# Altium PCB bg_pcb.PcbDoc (part 2 of 2)
Units mil, origin at the board's own origin, x right, y up, seen from the top; angles counter-clockwise.
Board outline 3622.05 x 3405.51 mil, 2 copper layers (Top Layer, Bottom Layer); 165 components, 111 nets, 496 pads, 392 vias.
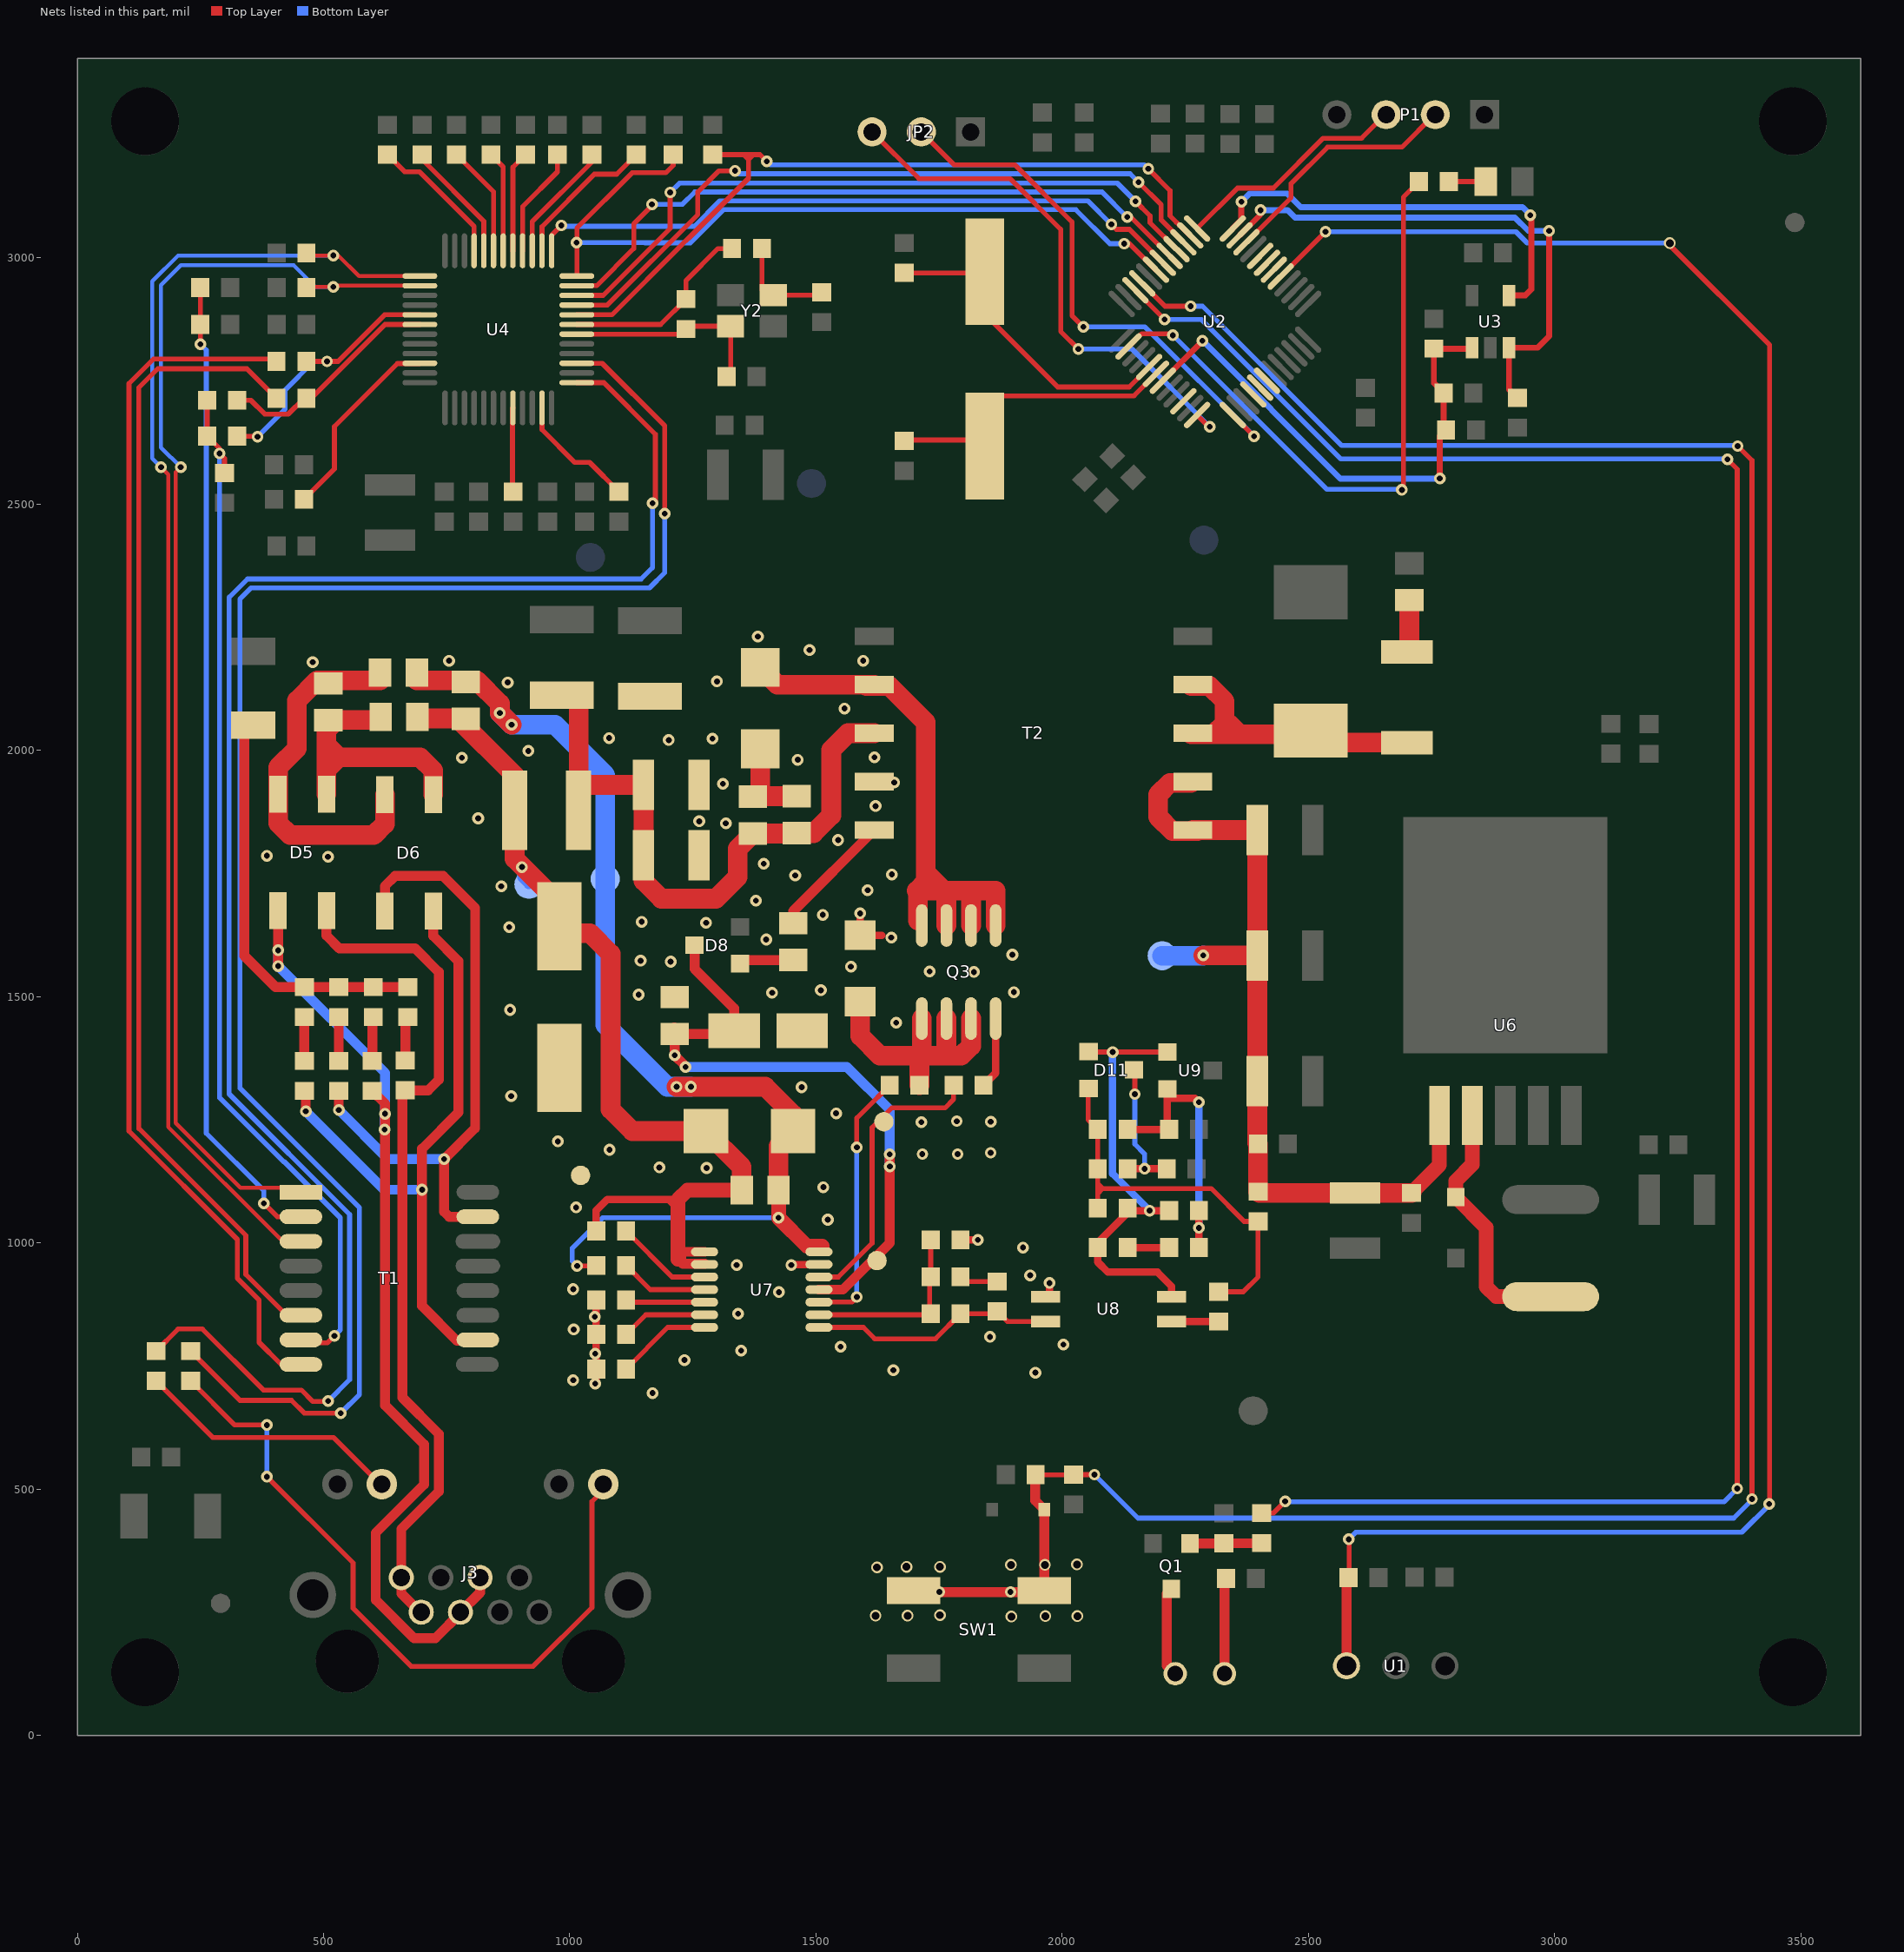
[diagram p2: the nets of this part, all layers, seen from the top]

## Via types
v1: diameter 24, hole 12, Top Layer to Bottom Layer, tented both sides, 133 vias
v2: diameter 23.62, hole 15.75, Top Layer to Bottom Layer, tented both sides, 122 vias
v3: diameter 23.62, hole 11.81, Top Layer to Bottom Layer, tented both sides, 122 vias
v4: diameter 23, hole 12, Top Layer to Bottom Layer, tented both sides, 15 vias

## Nets (pads, with @x,y where several pads share a name; then routed paths per layer and width w, separated by ;. In a path a pad name is that pad's centre, name@x,y a point inside that pad or via, vN(x,y) a via of type N, cw(c..) or ccw(c..) an arc to the next point about the centre after c; other vN are vias at no path point) (continued)
EXRES1: R72.2 U4.10 | length 399.9
  Top Layer w10: R72.2@460.32,2510 522,2571.68 522,2657.57 649.85,2785.42 694.87,2785.42 U4.10@695.55,2786.1
INTN: R66.1 U2.43 U4.36 | length 1622.4
  Top Layer w10: U4.36@1014.45,2963.27 1014.45,3060.67 1126.78,3173 1195,3173 1210,3188 R66.1@1210,3209.69 ; v3(2126,3029) 2136.65,3029 2189.47,2976.18 U2.43@2190.57,2976.18
  Bottom Layer w10: v3(1014,3031) 1152.54,3031 1152.86,3030.69 1245.14,3030.69 1312.46,3098 2028,3098 2097,3029 v3(2126,3029)
KEY: C2.2 D2.1 R5.1 SW1.1 SW1.2 U2.45 | length 5538
  Top Layer w10: C2.2@1944.98,527.67 C2.2@1946.32,529 2022.69,529 R5.1@2023,529.31 v3(2065.69,529.31) ; U2.45@2162.73,2948.34 2209.07,2902 v3(2261,2902) ; v3(3372,2618) 3401,2589 v3(3401,480)
  Top Layer w20: SW1.1@1686,291 1969.46,291 1964,296.46 D2.1@1964,458 1944.98,477.02 C2.2@1944.98,527.67
  Bottom Layer w10: v3@2066.37,530 v3(2065.69,529.31) 2154,441 3364,441 3401,478 v3(3401,480) ; v3(2261,2902) 2285,2902 2568,2619 3371,2619 v3(3372,2618)
  other v2: 1897,241 1966,242 2031,242 1621,243 1686,243 1752,244 1624,341 1684,342 1752,342 1896,346 1965,346 2030,347
  other v4: 1751,291 1895,291
LED: R62.2 U2.2 | length 1339.6
  Top Layer w10: U2.2@2134.89,2820.28 2136,2820.28 2161.86,2846.14 2221.86,2846.14 v3(2225,2843) ; v3(2690,2529) 2693,2532 2693,3123.32 R62.2@2724.68,3155
  Bottom Layer w10: v3@2227,2843 v3(2225,2843) 2538,2530 2689,2530 v3(2690,2529)
NetC21_1: C21.1 R30.1 | length 89.4
  Top Layer w20: C21.1@461,1369.31 R30.1@461,1458.69
NetC21_2: C21.2 D6.2 T1.10 | length 1338.7
  Top Layer w20: C21.2@456,1303.68 C21.2@461,1308.68 464,1305.68 v3(464,1267) ; D6.2@723,1673.78 723,1623 774,1572 774,1265 700,1191 v1(700,1108) 700,872 771,801 T1.10@803.91,801
  Bottom Layer w20: v3(464,1267) 623,1108 v1(700,1108)
NetC22_1: C22.1 R31.1 | length 89.4
  Top Layer w20: C22.1@531,1369.31 R31.1@531,1458.69
NetC22_2: C22.2 D6.4 T1.15 | length 1280.2
  Top Layer w20: v3(531,1270) C22.2@531,1308.68 ; D6.4@624.57,1673.78 624.57,1724.57 645,1745 743,1745 808,1680 808,1233 v3(745,1170) 745,1063 755,1053 T1.15@813.45,1053
  Bottom Layer w20: v3(531,1270) 632,1169 633,1170 v3(745,1170)
NetC23_1: C23.1 R32.1 | length 90.4
  Top Layer w20: C23.1@666,1370.31 666,1453.69 R32.1@671,1458.69
NetC23_2: C23.2 D5.2 J3.7 J3.8 | length 1759.3
  Top Layer w20: D5.2@506,1674.78 506,1624 532,1598 686,1598 734,1550 734,1331 712.68,1309.68 C23.2@666,1309.68 660,1303.68 660,686 734,612 734,495 658,419 658,288 695.92,250.08 J3.7@710,250.08
NetC24_1: C24.1 R33.1 | length 90.2
  Top Layer w20: C24.1@599,1369.31 599,1456.69 R33.1@601,1458.69
NetC24_2: C24.2 D5.4 J3.4 J3.5 | length 2027.7
  Top Layer w20: D5.4@407.57,1674.78 408,1674.35 v1(408,1594) v3(408,1562) ; C24.2@599,1308.68 625,1282.68 v1(625,1262) 625,670 704,591 704,509 606,411 606,275 684,197 727,197 780.08,250.08 J3.5@789.92,250.08 ; J3.5@778.11,250.08 817.87,289.84 J3.4@817.87,308.35 ; J3.4@817,307.47 J3.4@817.87,308.35 ; J3.4@817.87,320.16 J3.4@817.87,308.35 ; J3.4@829.68,320.16 J3.4@817.87,308.35
  Bottom Layer w20: v1(408,1594) v3(408,1562) 625,1345 v1(625,1262) 624,1261 v1(624,1230)
NetC26_1: C26.1 D5.3 D6.3 FB2.1 | length 746.4
  Top Layer w40: FB2.1@615,2142 487,2142 446,2101 446,2004 407.57,1965.57 D5.3@407.57,1911 407.57,1852.43 432,1828 602,1828 624.57,1850.57 D6.3@624.57,1910
NetC26_2: C26.2 D5.1 D6.1 FB1.1 | length 581.1
  Top Layer w40: D5.1@506,1911 506,1961 ; C26.2@506,2041.2 506,2011 ; C26.2@510,2045.2 526.8,2062 FB1.1@606,2062 ; D6.1@723,1910 723,1959 696,1986 531,1986 ; 506,1961 531,1986 ; 506,1961 506,1986 ; 506,1986 506,2011 ; 506,1986 531,1986 ; 506,2011 531,1986
NetC28_1: C28.1 C31.2 C32.2 C33.2 L5.2 R35.2 T2.3 | length 1330.1
  Top Layer w40: C28.1@984,2112 1018.02,2112 L5.2@1018.02,1927.02 ; L5.2@1018.02,1878 L5.2@1018.02,1927.02 ; T2.3@1618.38,2035 1565,2035 1531,2001 1531,1868 1495.2,1832.2 C33.2@1461,1832.2 1460,1831.2 R35.2@1372,1831.2 1341,1800.2 1341,1743 1297,1699 1186,1699 1149.94,1735.06 C32.2@1149.94,1787 C31.2@1149.94,1930 1021,1930 L5.2@1018.02,1927.02
NetC29_2: C29.2 R30.2 R31.2 R32.2 R33.2 | length 834.2
  Top Layer w20: C29.2@357,2051.39 339,2033.39 339,1583 402.68,1519.32 R30.2@461,1519.32 R31.2@531,1519.32 R33.2@601,1519.32 R32.2@671,1519.32
NetC33_1: C33.1 D7.2 R35.1 | length 191.2
  Top Layer w40: R35.1@1372,1906 R35.1@1373,1907 ; D7.2@1386.76,2003.06 1386.76,1920.76 R35.1@1373,1907 ; C33.1@1461,1907 R35.1@1373,1907
NetC38_1: C38.1 C39.2 D8.3 U7.4 VC.1 | length 1348.1
  Top Layer w10: U7.4@1506.14,905 U7.4@1509.87,908.73
  Top Layer w20: C39.2@1212,1437.2 1225.2,1424 1327.1,1424 C38.1@1334.1,1431 1334.1,1475.9 1253.48,1556.52 D8.3@1253.48,1604.4 ; C39.2@1213,1424.2 v3(1213,1381) 1235,1359 v3(1235,1357) ; U7.4@1506.14,905 1555,905 1650,1000 v1(1650,1155) v3(1650,1180)
  Bottom Layer w20: v3(1235,1357) 1563,1357 1650,1270 v3(1650,1180) v1(1650,1155)
NetC40_2: C40.2 C44.2 R51.1 U7.2 | length 377.8
  Top Layer w10: U7.2@1506.14,853.82 1730.69,853.82 1730.69,928.82 C44.2@1732.97,931.1 C40.2@1732.97,1006.1
NetC41_2: C41.2 R37.1 | length 107.3
  Top Layer w40: R37.1@2700,2200 2705,2205 C41.2@2705,2305.2
NetC44_1: C44.1 R52.1 | length 78.7
  Top Layer w10: C44.1@1793.6,931.1 1803.28,921.41 R52.1@1868.28,921.41
NetC45_1: C45.1 C46.1 R50.2 R54.2 U9.2 | length 565.7
  Top Layer w15: R50.2@2132.92,1230.4 R54.2@2217.28,1230.4 2213.6,1234.08 2213.6,1293.4 ; U9.2@2213.6,1312.6 2213.6,1293.4 ; v3(2277.6,1030.4) v3@2277.91,1030.4 ; v3(2277.6,1285.4) 2269.6,1293.4 2213.6,1293.4 ; C46.1@2277.91,990.4 v3@2277.91,1030.4 ; C45.1@2277.91,1065.4 v3@2277.91,1030.4
  Bottom Layer w15: v3(2277.6,1030.4) v3(2277.6,1285.4)
NetC45_2: C45.2 D11.1 R49.2 R53.1 U8.2 U9.1 | length 926.3
  Top Layer w10: D11.1@2053.6,1388.4 2054.6,1387.4 U9.1@2213.6,1387.4
  Top Layer w15: C45.2@2217.28,1065.4 v3(2177.6,1065.4) 2137.92,1065.4 R49.2@2132.92,1070.4 2132.92,1060.72 2072.29,1000.09 R53.1@2072.29,990.4 2072.29,961.01 2092.9,940.4 2193.6,940.4 2222.6,911.4 U8.2@2222.6,890.4
  Bottom Layer w15: v1(2102.6,1387.4) 2102.6,1140.4 v3(2177.6,1065.4)
NetC46_2: C46.2 R53.2 | length 84.4
  Top Layer w15: R53.2@2132.92,990.4 C46.2@2217.28,990.4
NetC48_1: C48.1 R65.1 T1.2 | length 1999.7
  Top Layer w10: R65.1@249.69,2940 C48.1@249.69,2865 249.69,2825.31 v3(250,2825) ; v3(379,1080) 406,1053 T1.2@454,1053
  Bottom Layer w10: v3(250,2825) 262,2813 262,1222.64 379,1105.64 v3(379,1080)
NetC49_2: C49.2 D11.3 R48.2 | length 289
  Top Layer w10: D11.3@2146.12,1351 2147.6,1349.52 v3(2147.6,1302.01) v3@2147.72,1302.13
  Top Layer w15: R48.2@2132.92,1150.4 v3(2167.6,1150.4) C49.2@2212.28,1150.4
  Bottom Layer w10: v3(2147.6,1302.01) 2147.6,1200.4 2167.6,1180.4 v3(2167.6,1150.4)
NetC50_1: C50.1 R70.2 U4.6 | length 458.4
  Top Layer w10: R70.2@324.32,2711 352.39,2711 380.68,2682.71 428.06,2682.71 460.35,2715 C50.1@465,2715 475,2715 624.84,2864.84 U4.6@695.55,2864.84
NetC51_1: C51.1 R71.2 U4.5 | length 539
  Top Layer w10: R71.2@324.32,2638 365,2638 v3(366,2637) ; C51.1@465,2790 v3(507,2790) 529.54,2790 624.07,2884.53 U4.5@695.55,2884.53
  Bottom Layer w10: v3(366,2637) 422,2693 422,2732 480,2790 v3(507,2790)
NetC54_1: C54.1 R69.1 Y2.3 | length 212.6
  Top Layer w10: R69.1@1390.31,3019 1390.31,2934.69 1400.5,2924.5 Y2.3@1413.31,2924.5 1506.18,2924.5 C54.1@1512,2930.31
NetC55_1: C55.1 R68.1 U4.30 Y2.1 | length 423.5
  Top Layer w10: U4.30@1014.45,2845.16 1225.47,2845.16 R68.1@1236,2855.69 1241.82,2861.5 Y2.1@1326.69,2861.5 1326.69,2773 C55.1@1310.69,2773
NetC56_1: C56.1 R70.1 R71.1 T1.7 | length 2138
  Top Layer w10: R70.1@263.69,2711 R71.1@263.69,2638 289,2612.69 v3(289,2603) 299,2593 C56.1@299,2563.31 ; T1.7@454,803 460,797 508,797 v3(522,811)
  Bottom Layer w10: v3(289,2603) 289,1294.54 418.73,1164.81 420.28,1164.81 534,1051.09 534,823 v3(522,811)
NetD1_1: D1.1 R1.1 | length 194.9
  Top Layer w20: D1.1@2329.7,125.1 2329.7,315.51 R1.1@2332.89,318.7
NetD1_2: D1.2 Q1.3 | length 185.5
  Top Layer w20: Q1.3@2222.1,297.08 2212.77,287.75 2212.77,141.23 D1.2@2231,123
NetD3_1: D3.1 R62.1 | length 74.7
  Top Layer w10: R62.1@2785.31,3155 D3.1@2860,3155
NetD4_2: D4.2 L1.1 U6.2 | length 527.4
  Top Layer w30: U6.2@2833.4,1258.86 U6.2@2833.18,1259.07 2833.18,1159.48 2799.2,1125.5 D4.2@2799.2,1093.11 2860.9,1031.41 2860.9,911.3 2881.4,890.8 L1.1@2992.1,890.8
NetD7_1: D7.1 Q3.5 Q3.6 Q3.7 Q3.8 T2.4 | length 1235.5
  Top Layer w40: D7.1@1386.76,2168.42 1421.76,2133.43 T2.4@1618.38,2133.43 ; T2.4@1602.24,2131.06 1648.94,2131.06 1723,2057 1723,1752 ; Q3.8@1707,1654.49 1707,1715 ; Q3.7@1765,1644.49 1765,1710 1760,1715 ; Q3.6@1815,1644.49 1815,1710 1810,1715 ; Q3.5@1865,1644.49 1865,1715 1810,1715 ; 1723,1752 1723,1733 1705,1715 1760,1715 ; 1723,1752 1760,1715 ; 1760,1715 1810,1715
NetD8_1: D8.1 R36.2 | length 111
  Top Layer w20: D8.1@1346,1567 1353.2,1574.2 R36.2@1454,1574.2
NetD9_2: D9.2 R37.2 T2.7 T2.8 | length 648.6
  Top Layer w40: T2.8@2261.69,2032.64 2307.64,2032.64 ; T2.7@2261.69,2131.06 2298.94,2131.06 2330,2100 2330,2055 ; R37.2@2700,2015.75 2529.39,2015.75 D9.2@2504.96,2040.18 2497.42,2032.64 2360,2032.64 ; 2307.64,2032.64 2330,2055 ; 2307.64,2032.64 2360,2032.64 ; 2330,2055 2337.64,2055 2360,2032.64
NetD11_2: D11.2 R41.2 R47.1 R48.1 R49.1 R50.1 | length 838.3
  Top Layer w10: D11.2@2052.6,1312.6 2052.6,1250.09 R50.1@2072.29,1230.4 R48.1@2072.29,1150.4 2072.29,1120.4 ; R49.1@2072.29,1070.4 2072.29,1100.09 ; R47.1@2317.6,900.71 2367.81,900.71 2398,930.9 R41.2@2398,1043.48 2369.52,1043.48 2302.6,1110.4 2082.6,1110.4 ; 2072.29,1100.09 2082.6,1110.4 ; 2072.29,1100.09 2072.29,1110.4 ; 2072.29,1110.4 2072.29,1120.4 ; 2072.29,1110.4 2082.6,1110.4 ; 2072.29,1120.4 2072.6,1120.4 2082.6,1110.4
NetGATE_1: GATE.1 R42.2 U7.5 | length 589
  Top Layer w10: U7.5@1506.14,930.59 1545.39,930.59 1614,999.2 1614,1234 1654,1274 1762,1274 1779.68,1291.68 R42.2@1779.68,1320
NetJ3_9: J3.9 R29.1 | length 1484.9
  Top Layer w10: R29.1@230,719.69 319.69,630 v3(385,630) ; v3(385,525) 560,350 560,258 678,140 925.46,140 1045,259.54 1045,474.84 J3.9@1080.08,509.92
  Bottom Layer w10: v3(385,525) v3(385,630)
NetJ3_11: J3.11 R28.1 | length 557
  Top Layer w10: R28.1@160,719.69 274.69,605 520,605 615.08,509.92 J3.11@630.08,509.92
NetQ1_1: Q1.1 R2.2 R4.2 | length 145.9
  Top Layer w20: Q1.1@2259.5,389.6 2327.82,389.6 R4.2@2328.2,389.98 2404.5,389.98 R2.2@2405,390.48
NetQ3_1: Q3.1 Q3.2 Q3.3 R44.1 R46.1 | length 588.3
  Top Layer w40: R46.1@1590,1490 1590,1420 1630,1380 1715,1380 ; R44.1@1710.31,1320 1710.31,1375.31 1715,1380 ; Q3.1@1715,1455.51 1715,1380 ; Q3.2@1765,1455.51 1765,1380 ; Q3.3@1815,1455.51 1815,1400 1795,1380 1765,1380 ; 1715,1380 1765,1380
NetQ3_4: Q3.4 R42.1 | length 145.7
  Top Layer w15: R42.1@1840.31,1320 1865,1344.69 Q3.4@1865,1455.51
NetR2_1: R2.1 U2.46 | length 4420.4
  Top Layer w10: U2.46@2148.81,2934.42 v3(2208.33,2874.9) ; R2.1@2405,451.11 2429.11,451.11 v3(2453,475) ; v3(3351,2591) 3371,2571 v3@3371,504
  Bottom Layer w10: v3(2208.33,2874.9) 2283.1,2874.9 2566,2592 v3@3350,2592 ; v3@2458,474 3344,474 v3(3371,501)
NetR3_1: R3.1 U1.1 U2.29 | length 4621.1
  Top Layer w10: U2.29@2443.9,2962.26 v3(2534.8,3053.1) v3(2534.8,3053.1) ; R3.1@2581.69,320.3 2583.1,321.71 v3@2583.1,393 ; v2(3234,3030.19) 3234,3026 3437,2823 3437,471 v3(3436,470)
  Top Layer w20: U1.1@2577.6,141.08 2577.6,316.21 R3.1@2581.69,320.3
  Bottom Layer w10: v3(2534.8,3053.1) 2921.53,3053.1 2944.44,3030.19 v2(3234,3030.19) ; v3(2582,398) 2596.4,412.4 3380.4,412.4 3436,468 v3(3436,470)
NetR28_2: R28.2 U4.25 | length 3549.7
  Top Layer w10: R28.2@160,780.32 204.68,825 254,825 378,701 455,701 478,678 508.72,678 v3(509.53,678.81) ; U4.25@1014.45,2746.73 1069.27,2746.73 1174,2642 1174,2504 1172,2502 v3(1168,2502)
  Bottom Layer w10: v3(509.53,678.81) 553,722.28 553,1057.54 308.19,1302.35 308.19,2311 308.54,2311 345.54,2348 1145,2348 1168,2371 v3(1168,2502) v3@1164.19,2498.19
NetR29_2: R29.2 U4.27 | length 3546.5
  Top Layer w10: R29.2@230,780.32 330.32,680 435,680 461,654 v3(535,654) ; U4.27@1014.45,2786.1 1065.9,2786.1 1193,2659 v3(1193,2481)
  Bottom Layer w10: v3(535,654) 573,692 573,1071.33 330.19,1314.14 330.19,2307.19 353,2330 1162,2330 1193,2361 v3(1193,2481) v3@1189.19,2477.19
NetR34_1: R34.1 U7.10 | length 197.9
  Top Layer w10: R34.1@1114.57,1023.9 1207.87,930.59 U7.10@1273.86,930.59
NetR36_1: R36.1 T2.1 | length 257.2
  Top Layer w20: R36.1@1454,1649 1454,1673.77 T2.1@1618.38,1838.15
NetR38_1: R38.1 U7.14 | length 194.2
  Top Layer w10: R38.1@1114.57,743.9 1198.9,828.23 U7.14@1273.86,828.23
NetR39_2: R39.2 U7.13 | length 175.8
  Top Layer w10: R39.2@1114.57,813.9 1154.49,853.82 U7.13@1273.86,853.82
NetR40_1: R40.1 U4.43 | length 226.4
  Top Layer w10: R40.1@770,3209.69 845.16,3134.53 U4.43@845.16,3014.45
NetR43_2: R43.2 U7.12 | length 161.2
  Top Layer w10: R43.2@1114.57,883.9 1119.06,879.41 U7.12@1273.86,879.41
NetR44_2: R44.2 U7.3 | length 538.9
  Top Layer w10: U7.3@1506.14,879.41 1506.73,880 1573,880 v3(1583,890) ; v3(1583,1194) 1583,1253.32 1598.84,1269.16 R44.2@1649.68,1320
  Bottom Layer w10: v3(1583,890) v3(1583,1194)
NetR45_2: R45.2 U7.11 | length 179.5
  Top Layer w10: R45.2@1114.57,953.9 1163.46,905 U7.11@1273.86,905
NetR47_2: R47.2 U8.1 | length 95.1
  Top Layer w15: U8.1@2222.6,840.4 2222.92,840.08 R47.2@2317.6,840.08
NetR51_2: R51.2 R52.2 U7.1 U8.4 | length 494.9
  Top Layer w10: U7.1@1506.14,828.23 1596.27,828.23 1619.3,805.2 1742.7,805.2 R51.2@1793.6,856.1 R52.2@1863.6,856.1 ; R52.2@1868.28,860.78 1888.67,840.4 U8.4@1966.69,840.4
NetR55_1: R55.1 U4.44 | length 247.2
  Top Layer w10: R55.1@700,3209.69 700,3200 825.47,3074.53 U4.44@825.47,3014.45
NetR56_1: R56.1 U4.45 | length 285.8
  Top Layer w10: R56.1@630,3209.69 664.69,3175 695,3175 805.79,3064.21 U4.45@805.79,3014.45
NetR57_1: R57.1 U4.38 | length 301.1
  Top Layer w10: U4.38@943.58,3014.45 943.58,3063.58 1050,3170 1095.31,3170 R57.1@1135,3209.69
NetR58_1: R58.1 U4.39 | length 245.4
  Top Layer w10: U4.39@923.9,3014.45 923.9,3073.9 1045,3195 R58.1@1045,3209.69
NetR59_1: R59.1 U4.40 | length 224.6
  Top Layer w10: U4.40@904.21,3014.45 904.21,3104.21 975,3175 R59.1@975,3209.69
NetR60_1: R60.1 U4.41 | length 205.8
  Top Layer w10: U4.41@884.53,3014.45 884.53,3184.21 R60.1@910,3209.69
NetR61_1: R61.1 U4.42 | length 205.5
  Top Layer w10: R61.1@840,3209.69 864.84,3184.84 U4.42@864.84,3014.45
NetR68_2: R68.2 R69.2 U4.31 | length 401.2
  Top Layer w10: U4.31@1014.45,2864.84 1184.53,2864.84 R68.2@1236,2916.32 1236,2954 1301,3019 R69.2@1329.68,3019
NetR73_2: R73.2 U4.23 | length 252.8
  Top Layer w10: U4.23@943.58,2695.55 943.58,2651.42 1010,2585 1040.32,2585 R73.2@1100,2525.32
NetU2_10: U2.10
NetU2_16: U2.16 | length 1.1
  Top Layer w10: U2.16@2388.23,2721.74 U2.16@2388.23,2722.84
NetU2_17: U2.17 | length 1.1
  Top Layer w10: U2.17@2402.15,2736.76 U2.17@2403.25,2736.76
NetU2_18: U2.18
NetU2_30: U2.30 | length 2.2
  Top Layer w10: U2.30@2443.35,2990.65 U2.30@2445.56,2990.65
NetU2_31: U2.31 | length 2.2
  Top Layer w10: U2.31@2434.93,3010.07 U2.31@2437.14,3010.07
NetU2_32: U2.32
RST: C4.2 R22.1 R26.1 U2.7 U3.1 | length 1070.2
  Top Layer w12: U2.7@2204.49,2750.68 2285,2831.19 v3(2285,2832) ; v3(2767,2552) 2767,2638.06 R22.1@2779.69,2650.75 2774.69,2655.75 C4.2@2774.69,2725.75 2755,2745.44 R26.1@2755,2815.75 2830.75,2815.75 U3.1@2832.6,2817.6
  Bottom Layer w12: v3(2285,2832) 2565,2552 v3(2767,2552)
RSTN: U2.42 U4.37 | length 1355.6
  Top Layer w10: U4.37@963.27,3014.45 963.27,3046.27 v3(983,3066) ; v3(2100,3068) 2110,3058 2136.59,3058 U2.42@2204.49,2990.1
  Bottom Layer w10: v3(983,3066) 984.81,3064.19 1253.19,3064.19 1305,3116 2052,3116 v3(2100,3068)
RX_N: C51.2 T1.8 | length 2498.8
  Top Layer w10: C51.2@404.37,2790 395,2790 390,2795 155,2795 105,2745 105,1227 325,1007 325,928 369,884 369,798 413,754 T1.8@471.09,754
RX_P: C50.2 T1.6 | length 2373.1
  Top Layer w10: C50.2@404.37,2715 344.37,2775 163.28,2775 125,2736.72 125,1232 342,1015 342,936 425,853 T1.6@470.09,853
SCLK_A0: U2.39 U4.33 | length 1485.1
  Top Layer w10: U4.33@1014.45,2904.21 1076.21,2904.21 1260.13,3088.13 1260.13,3134.13 1303,3177 v3(1336,3177) ; v3(2155,3154) 2201.19,3107.81 2201.19,3076.92 ; U2.39@2226.05,3052.05 2201.19,3076.92 ; U2.39@2246.25,3031.86 2201.19,3076.92
  Bottom Layer w10: v3(1336,3177) 1342,3171 2138,3171 v3(2155,3154)
SCSN_A0: R67.1 U2.38 U4.32 | length 1607.9
  Top Layer w10: U4.32@1014.45,2884.53 1085.75,2884.53 1227,3025.78 1227,3026.36 1241.64,3041 1242.22,3041 1363,3161.78 1363,3200 ; R67.1@1290,3209.69 1353.31,3209.69 ; v3(1400,3196) 1386.31,3209.69 1372.69,3209.69 ; v3(2175,3181) 2219.19,3136.81 2219.19,3085.65 2259.07,3045.77 U2.38@2260.17,3045.77 ; 2232.36,3071.64 2233.2,3071.64 ; 1353.31,3209.69 1363,3200 ; 1353.31,3209.69 1363,3209.69 ; 1363,3200 1372.69,3209.69 ; 1363,3200 1363,3209.69 ; 1363,3209.69 1372.69,3209.69
  Bottom Layer w10: v3(1400,3196) 1407,3189 2167,3189 v3(2175,3181)
SIMO_A0: U2.41 U4.35 | length 1359.1
  Top Layer w10: U4.35@1014.45,2943.58 1054.58,2943.58 1130,3019 1130,3069 v3@1163,3102 ; v3(2132,3083) 2139.43,3083 U2.41@2218.41,3004.02
  Bottom Layer w10: v3(1167,3109) 1229,3109 1254,3134 2081,3134 v3(2132,3083)
SOMI_A0: U2.40 U4.34 | length 1418.9
  Top Layer w10: U4.34@1014.45,2923.9 1067.9,2923.9 1204,3060 v3(1204,3133) ; v3(2149,3115) 2178.5,3085.5 2178.5,3071.5 2232.06,3017.94 U2.40@2232.33,3017.94
  Bottom Layer w10: v3(1204,3133) 1223,3152 2112,3152 v3(2149,3115)
SWCLK: P1.3 U2.37 | length 476.3
  Top Layer w10: U2.37@2274.09,3059.69 2356.39,3142 2429,3142 2530,3243 2608,3243 P1.3@2655,3290
SWIO: P1.2 U2.34 | length 504.3
  Top Layer w10: U2.34@2374.31,3031.86 2465,3122.55 2465,3151 2539,3225 2690,3225 P1.2@2755,3290
TOCAP: C58.1 U4.20 | length 171.1
  Top Layer w10: U4.20@884.53,2695.55 883.71,2694.74 883.71,2526.6 C58.1@885,2525.31
TX_N: R63.1 T1.3 U4.1 | length 2780.6
  Top Layer w8: v1(170,2575) 185,2560 185,1235 412,1008 T1.3@469.05,1008 ; R63.1@465.31,3010 470.31,3005 v3(520,3005) 530,3005 571.73,2963.27 U4.1@695.55,2963.27
  Bottom Layer w8: 152,2625 152,2593 ; v1(170,2575) 152,2593 ; v3(520,3005) 204.54,3005 152,2952.46 152,2593
TX_P: R64.1 T1.1 U4.2 | length 2682.7
  Top Layer w8: v1(210,2575) 200,2565 200,1243 331,1112 463.09,1112 T1.1@471.09,1104 ; R64.1@465.31,2940 466.72,2941.41 v3(520,2941.41) 522.17,2943.58 U4.2@695.55,2943.58
  Bottom Layer w8: 170,2630 170,2615 ; v1(210,2575) 170,2615 ; v3(520,2941.41) 482.8,2941.41 439.21,2985 210,2985 170,2945 170,2615
UART_RXD: JP2.2 U2.13 | length 1104.7
  Top Layer w10: JP2.2@1714,3256 1781,3189 1904,3189 2020,3073 2020,2883 v3(2043,2860) ; U2.13@2346.47,2681.09 2389.55,2638 v3(2390,2638)
  Bottom Layer w10: v3(2043,2860) 2168,2860 v3(2390,2638)
UART_TXD: JP2.3 U2.12 | length 1091.3
  Top Layer w10: JP2.3@1614,3256 1709,3161 1894,3161 1997,3058 1997,2851 v3(2033,2815) ; U2.12@2274.09,2681.09 2298.17,2657 v3(2300,2657)
  Bottom Layer w10: v3(2033,2815) 2142,2815 v3(2300,2657)
VCC12V: 12V.1 C18.1 C34.2 C35.2 C36.2 C37.2 C77.1 R41.1 T2.9 T2.10 U6.1 | length 1765.4
  Top Layer w30: C77.1@2709.5,1101.21 2766.26,1157.97 U6.1@2766.26,1259.07
  Top Layer w40: T2.9@2261.69,1934.21 2219.21,1934.21 2195,1910 2195,1865 2224.21,1835.79 T2.10@2275.21,1835.79 ; T2.10@2265.62,1838.15 C35.2@2396.41,1838.15 ; v3(2286.7,1583.7) C34.2@2396.41,1583.7 ; C37.2@2396.41,1202.47 C36.2@2396.41,1328.7 C34.2@2396.41,1583.7 ; C35.2@2396.41,1838.5 C35.2@2396.41,1838.15 ; C37.2@2397.98,1200.9 R41.1@2398,1104.11 2400.87,1101.25 C18.1@2594.5,1101.25 ; C18.1@2594.5,1101.25 C77.1@2709.5,1101.21 ; C34.2@2396.41,1583.7 C35.2@2396.41,1838.15
  Bottom Layer w40: 12V.1@2203,1583 2286,1583 v3(2286.7,1583.7)
VDD: C27.2 C30.1 C43.2 D10.2 FB1.2 L5.1 R34.2 U7.8 U7.9 VDD.1 | length 2048
  Top Layer w15: R34.2@1053.94,1023.9 1053.94,1065.94 1076,1088 1201,1088 ; 1220,1069 1201,1088 ; 1220,1088 1201,1088
  Top Layer w20: 1220,967 1229.55,957.45 U7.9@1273.86,957.45 ; 1221.3,981.77 U7.8@1273.86,981.77
  Top Layer w30: 1220,967 1220,1069 1220,1088 1239,1107 C43.2@1349.2,1107 ; 1221.3,968.3 1221.3,981.77
  Top Layer w40: FB1.2@703.8,2065 772.2,2065 888.09,1949.1 L5.1@888.09,1878 888.09,1779.91 979,1689 C30.1@979,1642.7 992.7,1629 1041,1629 1083,1587 1083,1271 1127,1227 D10.2@1276.42,1227 1349.2,1154.22 C43.2@1349.2,1107
  Bottom Layer w20: v1(903,1763) 903,1742 VDD.1@917,1728
VSS: C27.1 C43.1 D10.1 FB2.2 R45.1 U7.7 VSS.1 | length 2358.8
  Top Layer w10: v3(1015,953) 1053.04,953 R45.1@1053.94,953.9
  Top Layer w30: C43.1@1424,1107 v1(1424,1051) 1482,993 1513,993
  Top Layer w40: FB2.2@689.8,2142 811,2142 858,2095 v1(858,2076) v1(882,2052) ; v3(1217,1317) v1(1246,1317) 1397,1317 1453.58,1260.42 D10.1@1453.58,1227 1453.58,1225.58 1424,1196 C43.1@1424,1107
  Bottom Layer w10: v3(1015,953) 1005,963 1005,989 1067,1051 v1(1424,1051)
  Bottom Layer w40: v1(858,2076) v1(882,2052) 970,2052 1072,1950 1072,1443 1198,1317 v3(1217,1317) v1(1246,1317)
WD_EN: R27.2 U2.35 U3.3 | length 1089.4
  Top Layer w12: U2.35@2360.39,3045.77 2403,3088.39 v3(2403,3097) v3@2400,3097 ; R27.2@2925,2716.07 2907.4,2733.66 U3.3@2907.4,2817.6 2965.6,2817.6 2989,2841 v3(2989,3055)
  Bottom Layer w12: v3(2403,3097) 2458,3097 2473,3082 2919.5,3082 2946.5,3055 v3(2989,3055)
WDI: U2.36 U3.4 | length 876.6
  Top Layer w12: U2.36@2346.47,3060.01 U2.36@2346.47,3059.69 2364,3077.22 v3(2364,3114) ; U3.4@2907.4,2923.9 2940.9,2923.9 2953,2936 2953,3085 v3(2951,3087)
  Bottom Layer w12: v3(2364,3114) 2381,3131 2456.55,3131 2484.55,3103 2935,3103 v3(2951,3087)
WGND: C30.2 C31.1 C32.1 C38.2 C39.1 C40.1 C42.1 R38.2 R39.1 R43.1 R46.2 T2.2 U7.6 U8.3 WGND.1 | length 443.4
  Top Layer w15: v3(1052,714) 1053.94,715.94 R38.2@1053.94,743.9 v3@1053.94,773.06 ; v3(1052,775) v3@1053.94,773.06 ; R43.1@1053.94,883.9 1053.94,852.94 v3(1051,850) 1053.94,847.06 R39.1@1053.94,813.9 v3@1053.94,773.06 ; v3(1450,955) 1451.18,956.18 U7.6@1506.14,956.18 ; v3(1590,1669) R46.2@1590,1624.65 1633.65,1624.65 ; C40.1@1793.6,1006.1 v3(1828.6,1006.1) ; U8.3@1974.57,890.4 v3(1974.57,918.43)
  Top Layer w20: T2.2@1602.24,1934.21 1658.21,1934.21 v3(1659,1935)
  Bottom Layer w15: v3@1972.6,920.4 v3(1974.57,918.43)
  other v1: 1168,695 1007,721 1945.6,736.4 1657.2,741.4 1233,762 1348,781 1550,789 2002.6,793.4 1853.6,809.1 1008,824 1342,856 1425,900 1007,906 1935,934 1339,955 1524,1047 1013,1072 1515,1113 1278,1152 1182,1153 1081,1189 976,1206 1714,1245 1855,1246 1541,1263 881,1298 1471,1316 1663,1447 879,1473 1140,1504 1411,1508 1902,1509 1510,1513 1821,1550 1731,1551 1571,1561 1205,1571 1144,1573 1899,1585 1399,1616 1653,1620 877,1641 1277,1650 1146,1652 1514,1666 1378,1695 1605,1716 861,1724 1458,1746 1654,1748 1394,1770 509,1784 385,1786 1545,1818 1317,1852 1263,1856 814,1862 1621,1887 1311,1932 1463,1981 781,1985 1619,1986 916,1999 1201,2021 1290,2024 1080,2025 1558,2085 874,2138 1299,2140 478,2179 755,2182 1596,2182 1487,2204 1382,2231
  other v3: 1920.7,990.5
  other v4: 1716,1180 1788,1180 1855,1183 1786,1247
XTAL1: C8.1 U2.5 Y1.1 | length 649.5
  Top Layer w10: C8.1@1679,2969.69 1817.52,2969.69 1820,2972.17 1820,2909 1991,2738 2136.13,2738 U2.5@2176.65,2778.52
XTAL2: C9.1 U2.6 Y1.2 | length 618.9
  Top Layer w10: C9.1@1679.29,2630.31 1807.52,2630.31 1820,2617.83 1820,2689 1851,2720 2145.97,2720 U2.6@2190.57,2764.6
pads on no net: D8.2 J3.15 J3.16 T1.4 T1.5 T1.12 T1.13 T2.5 T2.6 U2.3 U2.4 U2.11 U2.14 U2.15 U2.19 U2.21 U2.22 U2.25 U2.26 U2.27 U2.28 U2.33 U4.7 U4.12 U4.13 U4.18 U4.24 U4.26 U4.46 U4.47

## Polygon pours and split planes (outlines as drawn)
AGND on Top Layer "AGND_L01_P012" (solid, remove dead copper, pour order 12): 500,3150 211,3150 70,3009 70,2570 70,1170 80,1160 280,960 280,930 280,900 320,860 330,850 330,800 330,780 350,760 370,760 373,760 390,777 430,817 430,1100 430,1150 250,1330 240,1340 240,2330 240,2338 262,2360 282,2380 930,2380 982,2380 982,2878 910,2950 896.73,2963.27 790,2963.27 777.73,2963.27 762,2979 760,2981 760,3080 690,3150
DGND on Top Layer "DGND_L01_P011" (solid, remove dead copper, pour order 11): 292,3405.51 292,3293 139,3140 1,3140 0,3141 0,300 120,300 158,338 158,612 165,612 214,661 227,674 293,674 295,674 322,701 335,714 335,759 335,770 321,784 321,848 321,851 274,898 274,959 274,960 111,1123 63,1171 63,3016 63,3024 198,3159 203,3164 592,3164 592,3404.51 591,3405.51 292,3405.51
DGND on Top Layer "DGND_L01_P014" (solid, remove dead copper, pour order 14): 584,3405.51 584,3150 583,3149 584,3150 690,3150 691,3150 760,3081 760,2981 779,2962 898,2962 970,2890 970,2410 940,2380 282,2380 240,2338 240,1340 430,1150 431,1149 458,1149 458,1150 489,1181 492,1184 492,1205 492,1209 425,1276 423,1278 423,1490 406,1507 391,1507 389,1507 333,1563 333,2109 333,2113 372,2152 381,2161 394,2161 457,2224 1173,2224 1302,2224 1372,2294 1385,2307 1649,2307 2298,2307 2328,2277 2338,2267 2338,1765 2283,1710 2278,1705 2052,1705 2031,1705 1991,1665 1980,1654 1980,1018 2105,893 2105,735 2105,734 2057,686 2038,667 1260,667 1197,604 1186,593 1186,0 3354,0 3356,2 3356,205 3464,313 3465,314 3622.05,314 3622.05,3187 3621.05,3186 3426,3186 3375,3237 3375,3406 585.49,3406 585,3405.51
WGND on Top Layer "WGND_L01_P009" (solid, remove dead copper, pour order 9): 1393,2273 1677,2273 1685.9,2264.1 1685.9,1810 1685.9,1803.35 1720,1769.25 1739.25,1750 1900,1750 1950,1700 1950,1150 1950,1000 2050,900 2069,881 2069,740 2029,700 1300,700 1250,700 1200,650 1010,650 970,690 970,1150 850,1270 830,1290 830,1700 830,1710 790,1750 400,1750 380.49,1750 350.49,1780 350.49,2090.49 470,2210 867.23,2210 1330,2210
DGND on Bottom Layer "DGND_L02_P010" (solid, remove dead copper, pour order 10): 292,3405.51 292,3293 139,3140 1,3140 0,3141 0,300 120,300 158,338 158,612 165,612 214,661 227,674 293,674 295,674 322,701 335,714 335,759 335,770 321,784 321,848 321,851 274,898 274,959 274,960 111,1123 63,1171 63,3016 63,3024 198,3159 203,3164 592,3164 592,3404.51 591,3405.51 292,3405.51
AGND on Bottom Layer "AGND_L02_P015" (solid, remove dead copper, pour order 15): 690,3150 211,3150 70,3009 70,1170 280,960 280,900 330,850 330,780 350,760 373,760 430,817 430,1150 240,1340 240,2338 282,2380 940,2380 970,2410 970,2890 897,2963 777.73,2963.27 760,2981 760,3080
WGND on Bottom Layer "WGND_L02_P016" (solid, remove dead copper, pour order 16): 1393,2273 1330,2210 840,2210 470,2210 350,2090 350,1780.49 380.49,1750 790,1750 830,1710 830,1290 970,1150 971,1149 971,688 972,688 1010,650 1200,650 1250,700 2029,700 2069,740 2069,881 1950,1000 1950,1700 1900,1750 1739,1750 1685.9,1803.1 1685.9,2055 1685.9,2249.1 1662,2273
DGND on Bottom Layer "DGND_L02_P018" (solid, remove dead copper, pour order 18): 582,3403.87 582,3148.35 581,3147.35 582,3148.35 688,3148.35 689,3148.35 758,3079.35 758,2979.35 777,2960.35 896,2960.35 968,2888.35 968,2408.35 938,2378.35 280,2378.35 238,2336.35 238,1338.35 428,1148.35 429,1147.35 456,1147.35 456,1148.35 487,1179.35 490,1182.35 490,1203.35 490,1207.35 423,1274.35 421,1276.35 421,1488.35 404,1505.35 389,1505.35 387,1505.35 331,1561.35 331,2107.35 331,2111.35 370,2150.35 379,2159.35 392,2159.35 455,2222.35 1171,2222.35 1300,2222.36 1370,2292.35 1383,2305.35 1647,2305.35 2296,2305.35 2326,2275.35 2336,2265.35 2336,1763.35 2281,1708.35 2276,1703.35 2050,1703.35 2029,1703.35 1989,1663.35 1978,1652.35 1978,1016.35 2103,891.35 2103,733.35 2103,732.35 2055,684.35 2036,665.35 1258,665.35 1195,602.35 1184,591.35 1184,-1.65 3352,-1.65 3354,0.35 3354,203.35 3462,311.35 3463,312.35 3620.05,312.35 3620.05,3185.35 3619.05,3184.35 3424,3184.35 3373,3235.35 3373,3404.35 583.49,3404.35 583,3403.87

## Keep-outs
Keep-Out Layer:
  circle w6: c3488,3072 r80
  pour cut-out: -50.5,248 0.5,299 121.5,299 274.5,146 273.5,145 273.5,-20 -49.5,-20 -50.5,-21
  pour cut-out: 1694.8,1624.75 1695,1624.55 1695,1592 1700,1587 1873,1587 1892.28,1606.28 1892.28,1637.18 1703.18,1637.18 1694.8,1628.8
  pour cut-out: 1884.17,1467 1891,1473.83 1891,1492 1869,1514 1704,1514 1690,1500 1690,1479.98 1690.54,1469.63 1697,1467
  pour cut-out: 241,3465 292,3414 292,3293 139,3140 138,3141 -27,3141 -27,3464 -28,3465
  pour cut-out: 3531,3473 3533,3475 3666,3475 3666,3186 3426,3186 3375,3237 3375,3438 3378,3438 3417,3477 3518,3477
  pour cut-out: 3356,205 3464,313 3700,313 3700,-115 3659,-156 3396,-156 3396,-129 3356,-89
  lines w0.5: 0,0 3622.05,0 3622.05,3405.51 0,3405.51 0,0

## Other copper
Top Layer:
  rectangle net AGND: 645.1,2917.5 658.1,2931.4
  rectangle net AGND: 297,2386 363,2449
  rectangle net VSS: 1513,982 1528,993
  rectangle net WGND: 1443,941.97 1474.77,970
  rectangle net KEY: 1605,223 1770,360
  rectangle net KEY: 1875,219 2051,366
  pour cut-out: 744,2975 735,2966 735,2735 740,2730 965,2730 975,2740 975,2750 969,2756 751,2756 741,2766 741,2948 758,2965 770,2965 774,2969 774,2973 772,2975
  region net AGND: 940,2380 955.2,2395.2 958.8,2395.2 974,2380
  pour cut-out: 839,2638 841,2638 839,2636
  pour cut-out: 858.79,2651.02 857.23,2651.02 853.25,2655 839,2655 839,2638 847,2638 860,2651
  pour cut-out: 755,2962 758,2965 770,2965 773,2968 774,2968 774,2967 777.73,2963.27 776.46,2962
  pour cut-out: 945,2779 945,2756 964,2756 964,2760
  pour cut-out: 2448.91,2842.89 2455.21,2842.89 2459.9,2838.2 2459.9,2837.6 2456.9,2837.6 2456.8,2837.5 2450.7,2837.5 2448.9,2839.3 2448.91,2839.31
  pour cut-out: 2451,2842.9 2451.8,2842.1 2453.9,2842.1 2453.9,2840.7 2453,2839.8 2450.2,2839.8 2448.91,2841.09 2448.91,2842.89 2450.99,2842.89
  pour cut-out: 928,2978 932,2974 996,2974 991,2969 991,2760 964,2760 945,2779 945,2939 925.96,2958.04 923.23,2958.04 918,2963.27 919,2964.27 919,2974 924,2974
  pour cut-out: 2171.65,2897.89 2175,2894.54 2181.31,2894.54 2310.28,3023.5 2303,3030.78 2303,3032.67 2169.69,2899.36
  pour cut-out: 2303,3017.09 2303,3033 2311,3041 2476,2876 2476,2863 2472.12,2863 2464.6,2855.48
  pour cut-out: 2448.91,2842.89 2435.89,2842.89 2305,2712 2305,2698.89 2307.78,2696.11 2442.67,2831 2447,2831 2453,2837 2453,2838.8
  pour cut-out: 2250.98,2776.99 2313,2714.97 2313,2701 2298,2701 2293,2696 2290,2696 2230,2756 2250.98,2776.98
  pour cut-out: 2227.82,2794.2 2227.8,2794.2 2185,2837 2179.97,2831.97 2179.97,2823.03 2217,2786 2223,2786 2223,2789.38
  pour cut-out: 2155.95,2885.3 2160,2881.25 2160,2875 2178,2857 2176,2855 2176,2854 2150,2854 2141,2863 2141,2874 2152.3,2885.3
  pour cut-out: 921.68,1966.71 984.43,1966.71 984.43,1789.29 921.69,1789.29 921,1789.98 921,1966.02
  pour cut-out: 2886,913 3098,913 3098.4,913.4 3098.4,1060 2886,1060
  pour cut-out: 2865.47,1060 2891.46,1060 2891.46,1049.32 2884.55,1042.4 2880.6,1042.4 2865.47,1057.53
  region net DGND: 2841,1901 2841,1824 2963,1824 2963,1901
  region net WGND: 1214,1957 1214,1910 1253,1910 1253,1957
  region net WGND: 1212,1813 1212,1766 1249,1766 1249,1812 1250,1813
  region net DGND: 956,2277 1018,2277 1018,2315 1017,2316 956,2316
  region net DGND: 1136,2314 1136,2276 1193,2276 1193,2314
  pour cut-out: 756.67,3054.11 756.67,3056.14 760,3059.46 760,3081 757,3084 756.73,3083.73 756.73,3054.15
  pour cut-out: 752.78,3058.98 754.89,3061.09 756.73,3061.09 756.73,3083.27 752,3088 752,3059.77
Bottom Layer:
  rectangle net KEY: 1605,223 1770,360
  rectangle net KEY: 1875,219 2051,367.77
  region net AGND: 970,2410 973,2407 967,2407
  pour cut-out: 921.68,1966.71 984.43,1966.71 984.43,1789.29 921.69,1789.29 921,1789.98 921,1966.02
  pour cut-out: 2887,1060 2886.78,1059.78 2886.78,912 3097,912 3098.4,913.4 3098.4,1060

## Silkscreen, mask and mechanical layers (free items; w line width, h text height)
Top Overlay:
  circle w12: c2576,69 r6.08
  circle w10: c2930,3289 r5
  circle w10: c1885,3258 r5
  lines w6: 152,1011 152,1191 344.96,1191 361,1174.96 361,1031 341,1011 152,1011 ; 2023.6,940.4 2023.6,1277.4 2309.6,1277.4 2330.85,1256.15 2330.85,965.65 2305.6,940.4 2023.6,940.4
  text "SCK" at 2603,3356 h30
  text "WIO" at 2716,3356 h30
  text "GND" at 2818,3356 h30
  text "3.3V" at 2478,3355 h30
  text "Tx Rx GND" at 1590,3340 h30
  text "A" at 1980.6,1099.4 h40
  text "A" at 98,1094 h40
Mechanical 13:
  circle w0.5: c137.8,3277.56 r68.9
  circle w0.5: c3484.25,3277.56 r68.9
  circle w0.5: c3484.25,127.95 r68.9
  circle w0.5: c137.8,127.95 r68.9
  lines w0.5: 3199.54,0 3416.59,0

## Text inside footprints (layer, text, board x,y; h text height)
J3: Top Overlay "7" at 680.08,149.69 h23.62; Top Overlay "1" at 932.05,149.69 h23.62